# Altium PCB APP_1_PCB.PcbDoc (part 5 of 5)
Units mil, origin at the board's own origin, x right, y up, seen from the top; angles counter-clockwise.
Board outline 7580 x 10620 mil, 12 copper layers (L1_Signal, L2_GND, L3_Signal, L4_GND, L5_Power, L6_GND, L7_GND, L8_Power, L9_GND, L10_Signal, L11_GND, L12_Signal), stack 74.268 mil thick; 392 components, 345 nets, 2134 pads, 1131 vias.
Unrouted connection lines stored in the file: 428.
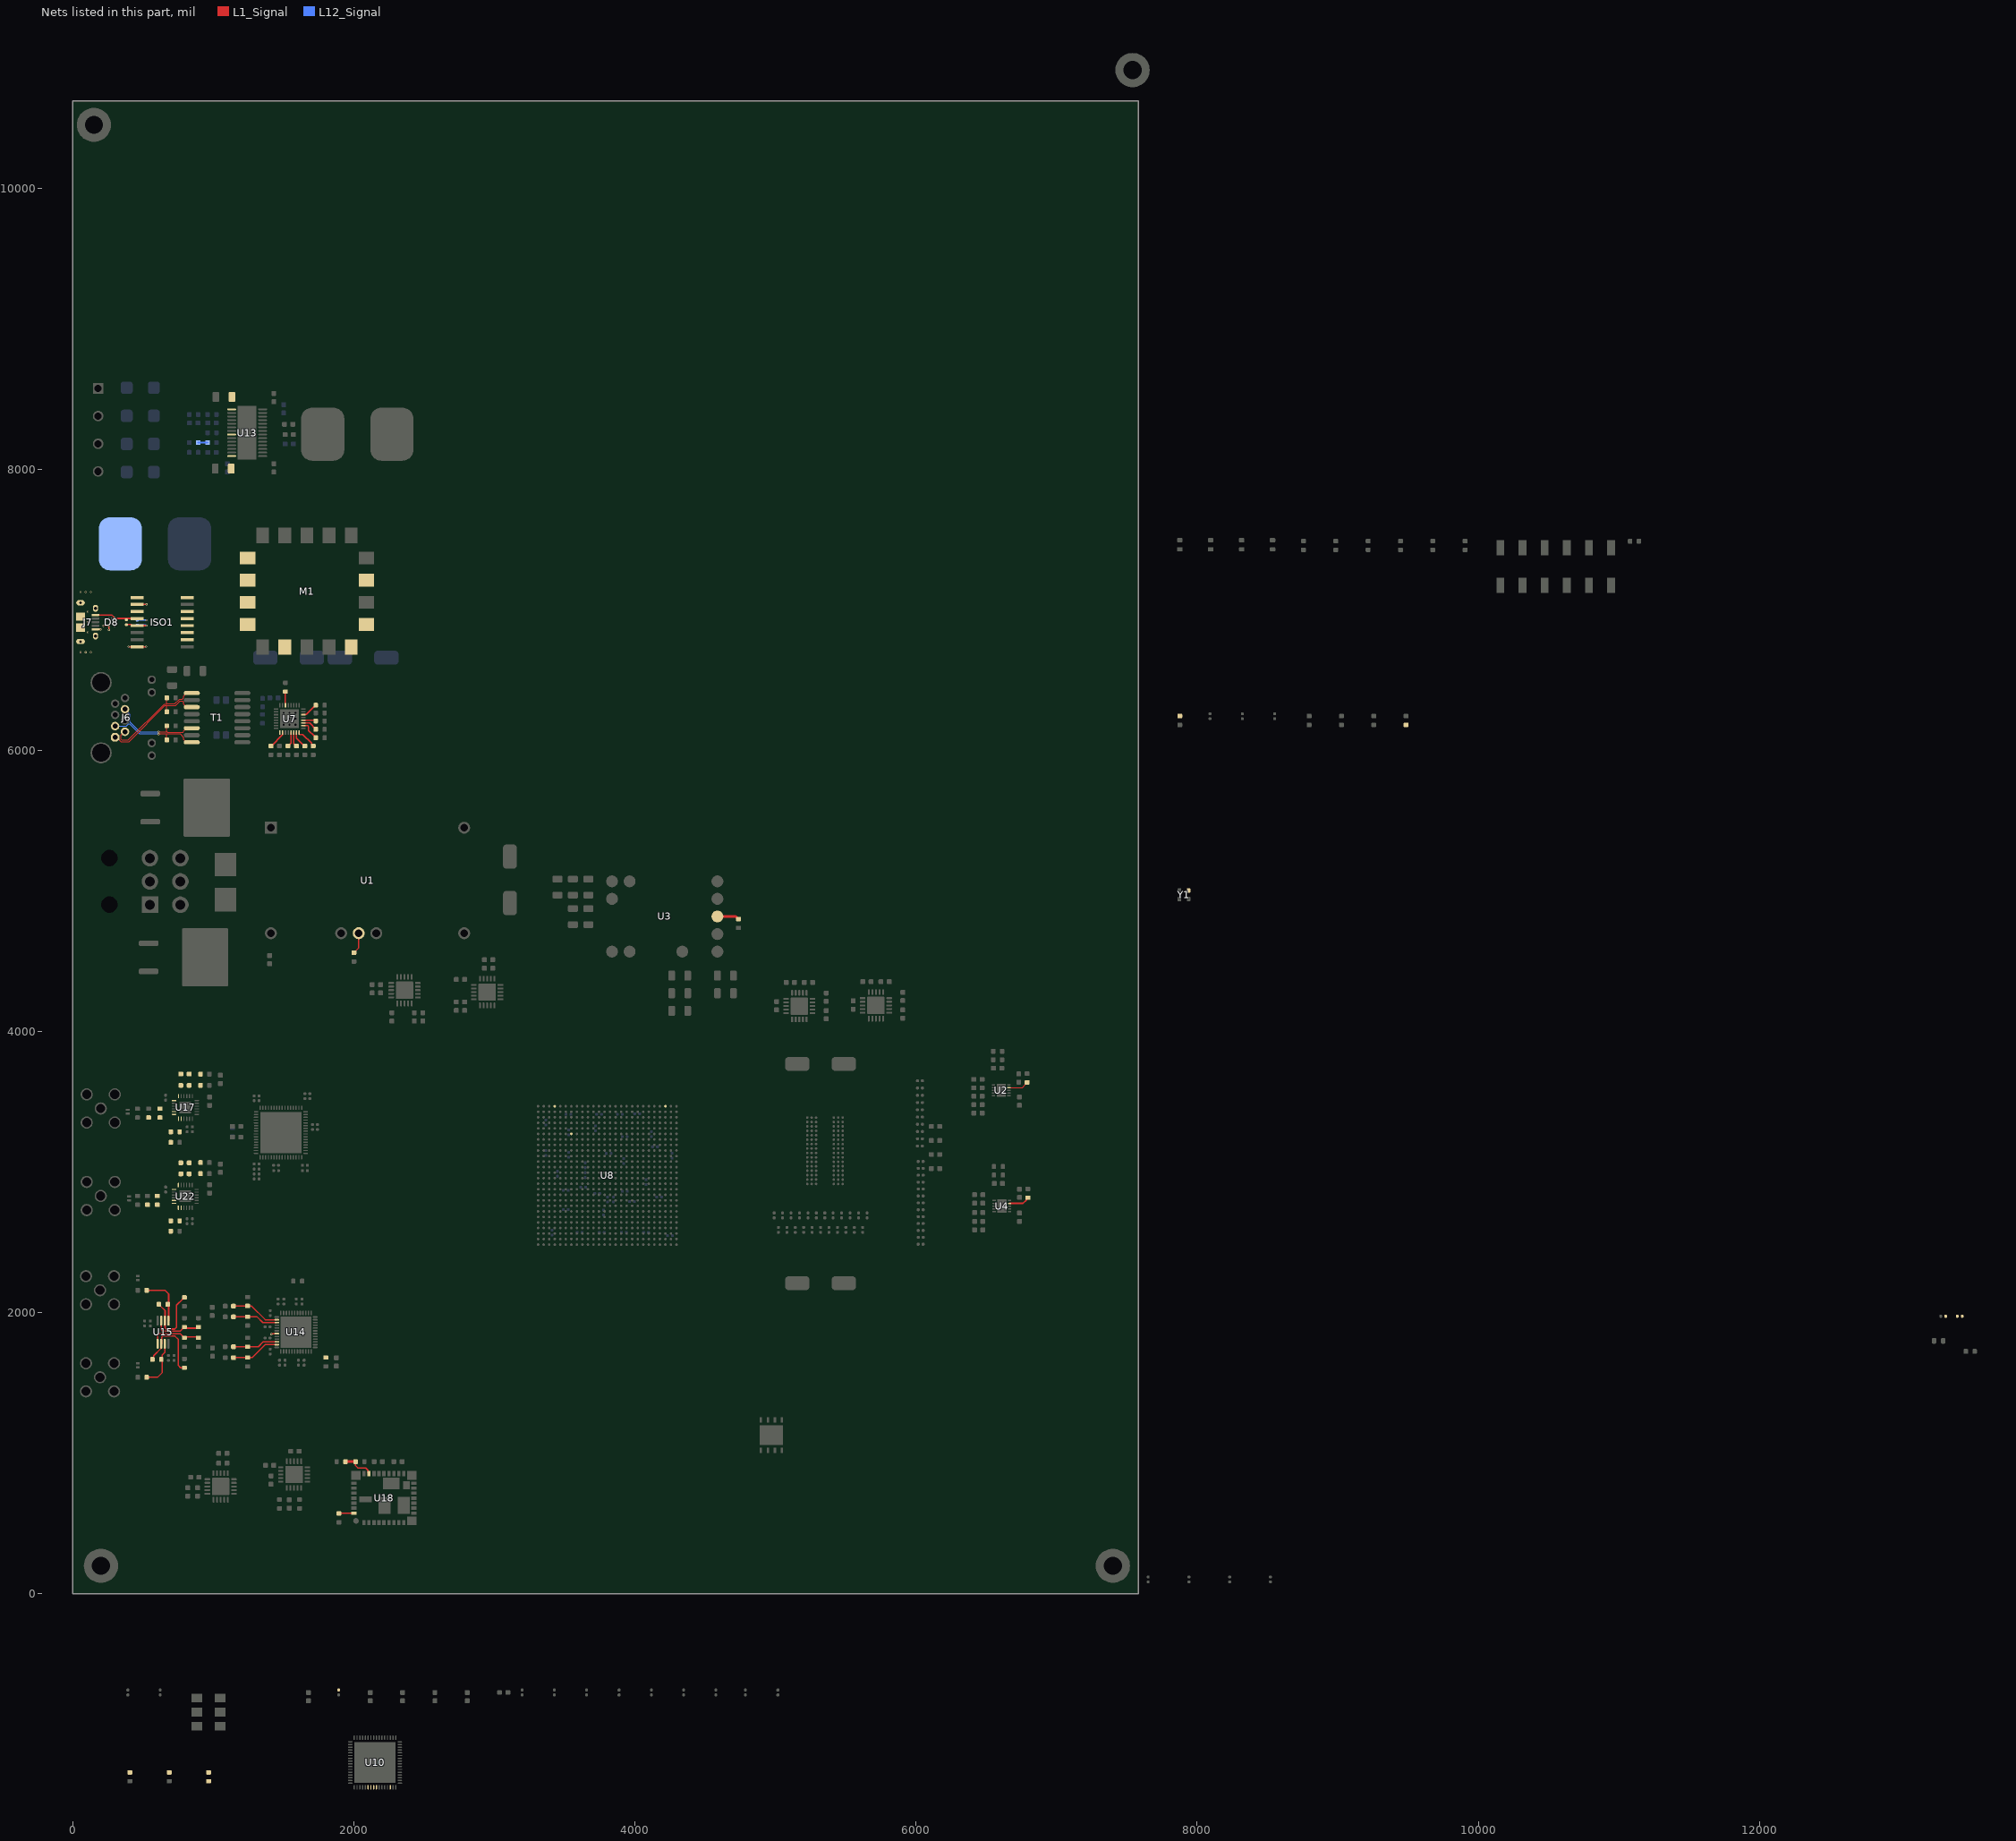
[diagram p15: the nets of this part, all layers, seen from the top]

## Via types
v1: diameter 15, hole 9, L1_Signal to L12_Signal, tented both sides, 539 vias
v2: diameter 15, hole 9, L1_Signal to L12_Signal, 464 vias
v3: diameter 19.68, hole 7.87, L1_Signal to L12_Signal, 89 vias
v4: diameter 13, hole 7, L1_Signal to L12_Signal, 15 vias
v5: diameter 19.68, hole 11.81, L1_Signal to L12_Signal, 15 vias
v6: diameter 22, hole 12, L1_Signal to L12_Signal, 9 vias

## Nets (pads, with @x,y where several pads share a name; then routed paths per layer and width w, separated by ;. In a path a pad name is that pad's centre, name@x,y a point inside that pad or via, vN(x,y) a via of type N, cw(c..) or ccw(c..) an arc to the next point about the centre after c; other vN are vias at no path point) (continued)
NetISO1_5: ISO1.5 R3.1 R5.1 | length 214
  L1_Signal w10: R3.1@380.98,6895.02 416.57,6895.02 423.48,6888.11 ISO1.5@457.73,6888.11 v2(524.08,6888.11)
  L12_Signal w10: R5.1@457.73,6892.11 518.74,6892.11 522.73,6888.11 v2(524.08,6888.11)
NetISO1_13: ISO1.13 R4.1 R6.2
NetL4_2: L4.2 R80.2 U14.38 | length 350.7
  L1_Signal w10: L4.2@1142.85,2047 R80.2@1241.85,2047 ; R80.2@1243.35,2048.5 R80.2@1241.85,2047 ; U14.38@1451.32,1950.28 1368.72,1950.28 1272,2047 R80.2@1241.85,2047
NetL5_2: L5.2 R81.2 U14.39 | length 326.4
  L1_Signal w10: L5.2@1142.85,1970.5 R81.2@1242.35,1970.5 ; R81.2@1243.35,1971.5 R81.2@1242.35,1970.5 ; U14.39@1451.32,1930.59 1351.41,1930.59 1311.5,1970.5 R81.2@1242.35,1970.5
NetL6_2: L6.2 R87.2 U14.47 | length 348.2
  L1_Signal w10: L6.2@1142.85,1680.5 R87.2@1242.35,1680.5 ; R87.2@1243.35,1681.5 R87.2@1242.35,1680.5 ; U14.47@1451.32,1773.11 1368.11,1773.11 1275.5,1680.5 R87.2@1242.35,1680.5
NetL7_2: L7.2 R88.2 U14.46 | length 322.7
  L1_Signal w10: L7.2@1142.85,1758.5 R88.2@1243.35,1758.5 1319.5,1758.5 1353.8,1792.8 U14.46@1451.32,1792.8
NetL8_1: L8.1 R92.2
NetL8_2: L8.2 U22.19
NetL9_1: L9.1 R94.2
NetL9_2: L9.2 U22.18
NetL10_1: L10.1 R100.2
NetL10_2: L10.2 U17.19
NetL11_1: L11.1 R102.2
NetL11_2: L11.2 U17.18
NetM1_18: M1.18 R106.1 R107.2
NetR11_1: R11.1 U2.9 | length 146.8
  L1_Signal w5: U2.9@6660.12,3602.28 6756.99,3602.28 6777.19,3622.48 6777.19,3625.77 6789.92,3638.5 R11.1@6790,3638.5
NetR12_2: R12.2 U1.4 | length 152.6
  L1_Signal w10: R12.2@2000,4561.5 2034.16,4595.66 U1.4@2034.16,4700
NetR14_2: R14.2 U3.8 | length 157.7
  L1_Signal w20: U3.8@4586,4819 4715.5,4819 4734,4800.5 R14.2@4736,4800.5
NetR16_1: R16.1 U4.9 | length 147
  L1_Signal w10: U4.9@6665.27,2778.26 6760.9,2778.26 6782.1,2799.45 6782.1,2802.74 6794.83,2815.47 R16.1@6794.91,2815.47
NetR21_1: R21.1 U7.18 | length 143.5
  L1_Signal w9: U7.18@1638.58,6175.79 1639,6175.37 1672.81,6175.37 1678.08,6170.09 1678.08,6140.42 1716.45,6102.05 1717.62,6102.05 1728.5,6091.16 R21.1@1728.5,6090
NetR22_1: R22.1 U7.20 | length 96.6
  L1_Signal w3: U7.20@1638.58,6215.16 U7.20@1642,6211.74
  L1_Signal w8: U7.20@1638.78,6214.96 1723.54,6214.96 R22.1@1728.5,6210
NetR23_1: R23.1 U7.16 | length 150.9
  L1_Signal w8: U7.16@1611.02,6128.54 1611.02,6117.72 1614.44,6114.3 1635.7,6114.3 1698.91,6051.09 1698.91,6041.92 1709.33,6031.5 R23.1@1710,6031.5
NetR24_1: R24.1 U7.15 | length 122.5
  L1_Signal w8: U7.15@1591.34,6128.54 1591.34,6088.16 1648,6031.5 R24.1@1650,6031.5
NetR25_1: R25.1 U7.14 | length 106.4
  L1_Signal w8: U7.14@1571.65,6128.54 1571.65,6049.18 1589.34,6031.5 R25.1@1591.34,6031.5
NetR26_1: R26.1 U7.13 | length 107.3
  L1_Signal w8: R26.1@1530,6031.5 1532,6031.5 1551.97,6051.47 U7.13@1551.97,6128.54
NetR27_2: R27.2 U7.30 | length 97
  L1_Signal w8: U7.30@1512.6,6321.46 R27.2@1512.6,6418.5
NetR28_1: R28.1 U7.19 | length 109.9
  L1_Signal w8: U7.19@1638.58,6195.47 1685.03,6195.47 1728.5,6152 R28.1@1728.5,6150
NetR29_1: R29.1 U7.22 | length 118.2
  L1_Signal w8: U7.22@1638.58,6254.53 1639.36,6255.3 1659.45,6255.3 1713.37,6309.22 1717.16,6309.22 1728.5,6320.56 R29.1@1728.5,6321.46
NetR30_2: R30.2 U7.10 | length 132.3
  L1_Signal w8: R30.2@1410,6031.5 1411.5,6031.5 1491.99,6111.99 1491.99,6127.62 U7.10@1492.91,6128.54
NetR61_2: R61.2 U10.30
NetR62_1: R62.1 U8.AF23
NetR66_2: R66.2 U8.AF3
NetR67_1: R67.1 R68.2 U13.8 | length 67
  L12_Signal w15: R68.2@891.5,8190 R67.1@958.5,8190
NetR69_2: R69.2 U13.1
NetR74_2: R74.2 U13.14
NetR75_1: R75.1 R77.2 U15.1 | length 366
  L1_Signal w10: R77.2@524.85,2160 656.37,2160 681.74,2134.63 681.74,2066.89 R75.1@674.85,2060 681.74,2053.11 U15.1@681.74,1941.69
NetR75_2: R75.2 R76.1 U15.2 | length 513.7
  L1_Signal w10: R75.2@611.85,2060 611.85,2058 619.85,2050 621.85,2050 656.15,2015.7 656.15,1941.69 656.29,1941.55 656.29,1892.92 665.08,1884.13 725.55,1884.13 738.19,1896.77 738.19,2053.84 783.35,2099 783.35,2101 791.35,2109 R76.1@793.35,2109
NetR78_1: R78.1 R79.1 U15.3 | length 348.8
  L1_Signal w10: U15.3@630.56,1941.69 630.56,1874.84 636.42,1868.99 763.84,1868.99 783.35,1888.5 783.35,1890.5 788.36,1895.51 791.35,1898.5 R79.1@793.35,1898.5 ; R79.1@793.35,1890.51 885.37,1890.51 R78.1@893.35,1898.5
NetR82_1: R82.1 R84.2 U15.7 | length 338.4
  L1_Signal w10: R84.2@524.85,1540.63 602.25,1540.63 636.69,1575.07 636.69,1667.73 636.69,1700.58 654.41,1718.3 U15.7@654.41,1780
NetR82_2: R82.2 R83.1 U15.6 | length 558.3
  L1_Signal w10: R82.2@575.62,1661.31 575.62,1694.81 627.72,1746.92 627.72,1775.47 631.32,1779.07 631.32,1825.58 639.34,1833.6 727.07,1833.6 750,1810.67 750,1625.58 766.71,1608.87 796.88,1608.87 R83.1@797.26,1608.5
NetR85_1: R85.1 R86.1 U15.5 | length 370.7
  L1_Signal w10: U15.5@604.97,1778.31 604.97,1839.05 616.82,1850.9 763.95,1850.9 783.35,1831.5 783.35,1829.5 791.35,1821.5 R86.1@793.35,1821.5 ; R86.1@793.35,1829.49 885.37,1829.49 R85.1@893.35,1821.5
NetR90_2: R90.2 U14.43 | length 40.9
  L1_Signal w10: v1(1412,1848) 1413.35,1848 1417.2,1851.85 U14.43@1451.32,1851.85
NetR91_1: R91.1 U22.23
NetR91_2: R91.2 R93.1 U22.24
NetR96_1: R96.1 R97.2 U22.1
NetR97_1: R97.1 U22.2
NetR99_1: R99.1 U17.23
NetR99_2: R99.2 R101.1 U17.24
NetR104_1: R104.1 R105.2 U17.1
NetR105_1: R105.1 U17.2
NetR108_2: R108.2 U8.AA20
NetR109_1: R109.1 R110.2 U18.27 | length 229.4
  L1_Signal w10: R109.1@2011.75,941.06 2011.75,912.56 2028.25,896.06 2083.25,896.06 2100.14,879.17 2100.14,862.08 U18.27@2106.95,855.27
  L1_Signal w20: R110.2@1939.75,941.06 R109.1@2011.75,941.06
NetR111_2: R111.2 U18.36 | length 107.3
  L1_Signal w10: R111.2@1893.25,572.56 1894.35,573.66 1998.57,573.66 U18.36@1999.67,574.76
NetU7_9: U7.9 Y1.3
Rx: M1.5
RX_N: J6.6 R10.2 T1.14 | length 637.1
  L1_Signal w6.53: v1(611.1,6134.06) 612.72,6132.44 617.54,6132.44 619.16,6130.82 629.64,6130.82 629.7,6130.76 671.88,6130.76 ; R10.2@668.5,6175 668.5,6134.59 668.5,6134.15 672.32,6130.32 784.86,6130.32 788.69,6134.15 788.69,6137.84 808.95,6158.11 T1.14@845.98,6158.11
  L12_Signal w6.53: J6.6@370.98,6293.11 407.24,6256.85 407.24,6201 477.41,6130.82 603.04,6130.82 604.65,6132.44 609.48,6132.44 v1(611.1,6134.06)
RX_P: J6.3 R9.2 T1.16 | length 661.4
  L1_Signal w6.53: v1(611.1,6116.06) 612.72,6117.68 617.54,6117.68 619.16,6119.3 624.86,6119.3 624.92,6119.24 664.68,6119.24 668.5,6115.41 R9.2@668.5,6075 ; 665.12,6118.8 761.94,6118.8 788.69,6092.05 788.69,6078.38 808.95,6058.11 T1.16@845.98,6058.11
  L12_Signal w6.53: J6.3@300.98,6173.11 382.26,6173.11 397.84,6188.69 403.24,6188.69 472.64,6119.3 603.04,6119.3 604.65,6117.68 609.48,6117.68 v1(611.1,6116.06)
SPI_CLK: U10.24
SPI_MISO: U10.22 U10.25
SPI_MOSI: U10.23
Tx: M1.6
TX_N: J6.2 R8.2 T1.9 | length 758.8
  L1_Signal w6.53: J6.2@370.98,6133.11 367.49,6133.11 343.8,6109.42 343.8,6078.07 347.62,6074.25 394.25,6074.25 650.76,6330.76 668.61,6330.76 668.98,6331.14 725.95,6331.14 758.69,6363.88 778.39,6363.88 788.69,6374.17 788.69,6387.84 808.95,6408.11 T1.9@845.98,6408.11 ; 668.5,6334.59 R8.2@668.5,6375
TX_P: J6.1 R7.2 T1.11 | length 749.6
  L1_Signal w6.53: J6.1@300.98,6093.11 312.46,6093.11 342.85,6062.72 399.02,6062.72 655.54,6319.24 671.95,6319.24 ; R7.2@668.5,6275 668.5,6315.41 668.5,6315.79 672.32,6319.61 730.73,6319.61 763.47,6352.35 778.39,6352.35 788.69,6342.05 788.69,6328.38 808.95,6308.11 T1.11@845.98,6308.11
USB: C66.1 D8.4 ISO1.2 ISO1.8 J7.5 J7.6 J7.7 J7.8 J7.9 J7.10 J7.11 R5.2 | length 354.3
  L1_Signal w10: J7.5@168.46,6861.34 v2(197,6861.34) ; v2(216.61,6885.95) D8.4@256.29,6885.95 v2(256.29,6857.4) ; v2(395.98,6738.11) v2(520.98,6738.11) ; ISO1.2@457.73,7038.11 458.12,7038.51 524.08,7038.51 v2(524.48,7038.9)
  L12_Signal w10: R5.2@457.73,6927.11 458.27,6926.57 522.19,6926.57 v2(522.73,6926.02)
  other v2: 54.68,6698.11 91.56,6698.11 127.87,6698.11 105.98,6839.94 105.98,6913.14 105.98,6986.34 54.68,7126.93 91.56,7126.93 127.87,7126.93
USB_3V3: ISO1.12 ISO1.14 ISO1.16 M1.2 M1.8 M1.15 R4.2 R106.2
USB_5V: D8.1 ISO1.1 ISO1.3 ISO1.4 J7.1 R3.2 | length 274.7
  L1_Signal w10: J7.1@160.98,6963.7 277.13,6963.7 D8.1@298.7,6942.14 ; D8.1@295.66,6939.1 380.98,6939.1 ISO1.4@422.73,6939.1 ; ISO1.4@457.73,6938.11 ISO1.4@457.73,6939.1
USB_DD_N: ISO1.11 M1.16
USB_DD_P: ISO1.10 M1.17
pads on no net: D8.2 J3.0 J6.0 J6.4 J6.5 J6.7 J6.8 J7.4 M1.3 M1.4 M1.9 MTH1.1 MTH2.1 MTH3.1 MTH4.1 T1.4 T1.5 T1.10 T1.12 T1.13 T1.15 U3.9 U3.10 U3.11 U5.2 U5.4 U5.5 U5.8 U5.9 U5.10 U5.11 U5.17 U5.18 U5.19 U6.2 U6.4 U6.5 U6.6 U6.9 U6.10 U6.12 U6.17 U6.18 U6.19 U7.8 U7.12 U7.28 U7.29 U8.A2 U8.A3 U8.A15 U8.A16 U8.A17 U8.A18 U8.A19 U8.A20 U8.A21 U8.A22 U8.A23 U8.A25 U8.AA3 U8.AA4 U8.AA5 U8.AA7 U8.AA8 U8.AA9 U8.AA11 U8.AA12 U8.AA13 U8.AA14 U8.AA15 U8.AA17 U8.AA18 U8.AA19 U8.AA22 U8.AA23 U8.AB4 U8.AB5 U8.AB6 U8.AB7 U8.AB8 U8.AB9 U8.AB10 U8.AB11 U8.AB13 U8.AB15 U8.AB17 U8.AB18 U8.AB19 U8.AB21 U8.AB22 U8.AB24 U8.AC3 U8.AC4 U8.AC5 U8.AC7 U8.AC9 U8.AC11 U8.AC12 U8.AC13 U8.AC14 U8.AC15 U8.AC16 U8.AC17 U8.AC19 U8.AC20 U8.AC22 U8.AC23 U8.AC24 U8.AD4 U8.AD5 U8.AD6 U8.AD7 U8.AD8 U8.AD9 U8.AD10 U8.AD11 U8.AD12 U8.AD13 U8.AD14 U8.AD15 U8.AD17 U8.AD18 U8.AD19 U8.AD21 U8.AE3 U8.AE4 U8.AE5 U8.AE7 U8.AE9 U8.AE11 U8.AE13 U8.AE15 U8.AE17 U8.AE19 U8.AE21 U8.AE23 U8.AE25 U8.AE26 U8.AF2 U8.AF5 U8.AF6 U8.AF7 U8.AF8 U8.AF9 U8.AF10 U8.AF11 U8.AF12 U8.AF13 U8.AF14 U8.AF15 U8.AF16 U8.AF17 U8.AF18 U8.AF19 U8.AF21 U8.AF24 U8.B1 U8.B2 U8.B16 U8.B18 U8.B20 U8.B22 U8.B23 U8.B24 U8.B25 U8.B26 U8.C1 U8.C2 U8.C3 U8.C4 U8.C14 U8.C15 U8.C16 U8.C17 U8.C18 U8.C19 U8.C20 U8.C21 U8.C24 U8.C25 U8.C26 U8.D1 U8.D3 U8.D13 U8.D14 U8.D15 U8.D16 U8.D18 U8.D19 U8.D20 U8.D21 U8.D22 U8.D23 U8.D24 U8.D26 U8.E1 U8.E2 U8.E3 U8.E4 U8.E5 U8.E12 U8.E14 U8.E16 U8.E17 U8.E18 U8.E19 U8.E20 U8.E23 U8.E24 U8.E25 U8.E26 U8.F1 U8.F3 U8.F5 U8.F8 U8.F12 U8.F13 U8.F14 U8.F15 U8.F16 U8.F17 U8.F18 U8.F22 U8.F24 U8.F26 U8.G1 U8.G2 U8.G3 U8.G4 U8.G5 U8.G6 U8.G7 U8.G9 U8.G11 U8.G13 U8.G14 U8.G16 U8.G17 U8.G19 U8.G20 U8.G21 U8.G22 U8.G23 U8.G24 U8.G25 U8.G26 U8.H1 U8.H3 U8.H5 U8.H6 U8.H7 U8.H8 U8.H9 U8.H10 U8.H12 U8.H13 U8.H15 U8.H16 U8.H17 U8.H18 U8.H19 U8.H20 U8.H21 U8.H22 U8.H24 U8.H26 U8.J1 U8.J2 U8.J3 U8.J4 U8.J5 U8.J7 U8.J10 U8.J11 U8.J12 U8.J13 U8.J14 U8.J15 U8.J16 U8.J17 U8.J20 U8.J22 U8.J23 U8.J24 U8.J25 U8.J26 U8.K1 U8.K3 U8.K5 U8.K6 U8.K7 U8.K8 U8.K9 U8.K10 U8.K12 U8.K14 U8.K15 U8.K18 U8.K19 U8.K20 U8.K21 U8.K22 U8.K24 U8.K26 U8.L1 U8.L2 U8.L6 U8.L7 U8.L8 U8.L9 U8.L17 U8.L18 U8.L19 U8.L20 U8.L21 U8.L23 U8.L24 U8.L25 U8.L26 U8.M1 U8.M3 U8.M4 U8.M18 U8.M19 U8.M21 U8.M23 U8.M24 U8.M26 U8.N1 U8.N2 U8.N17 U8.N18 U8.N19 U8.N20 U8.N21 U8.N22 U8.N23 U8.N24 U8.N25 U8.N26 U8.P17 U8.P18 U8.P20 U8.P21 U8.P22 U8.P24 U8.P26 U8.R5 U8.R6 U8.R7 U8.R10 U8.R17 U8.R18 U8.R19 U8.R20 U8.R21 U8.R22 U8.R23 U8.R24 U8.R25 U8.R26 U8.T4 U8.T6 U8.T8 U8.T9 U8.T10 U8.T18 U8.T19 U8.T20 U8.T22 U8.T23 U8.T24 U8.T26 U8.U3 U8.U4 U8.U5 U8.U7 U8.U8 U8.U9 U8.U12 U8.U13 U8.U15 U8.U17 U8.U19 U8.U20 U8.U21 U8.U22 U8.U23 U8.U24 U8.U25 U8.U26 U8.V5 U8.V6 U8.V7 U8.V8 U8.V10 U8.V11 U8.V12 U8.V13 U8.V14 U8.V15 U8.V16 U8.V17 U8.V18 U8.V19 U8.V20 U8.V22 U8.V23 U8.V24 U8.W5 U8.W7 U8.W8 U8.W9 U8.W10 U8.W11 U8.W12 U8.W13 U8.W14 U8.W16 U8.W17 U8.W18 U8.W19 U8.W21 U8.W26 U8.Y5 U8.Y6 U8.Y8 U8.Y9 U8.Y10 U8.Y13 U8.Y14 U8.Y15 U8.Y16 U8.Y18 U8.Y20 U8.Y21 U8.Y22 U9.H1 U9.J1 U9.J9 U9.K9 U9.L1 U9.L8 U9.L9 U9.M7 U9.M8 U9.T2 U9.T7 U10.6 U10.7 U10.9 U10.10 U10.12 U10.13 U10.14 U10.31 U10.33 U10.37 U10.40 U10.41 U10.49 U10.50 U10.51 U10.52 U10.53 U10.54 U10.55 U10.56 U10.57 U10.58 U10.59 U10.60 U10.61 U10.62 U10.63 U10.64 U11.2 U11.4 U11.5 U11.9 U11.10 U11.12 U12.9 U16.22 U16.56 U16.57 U17.5 U17.6 U17.7 U17.8 U17.9 U17.10 U17.11 U17.12 U17.13 U17.14 U17.15 U17.16 U17.PAD U18.2 U18.3 U18.6 U18.7 U18.21 U18.22 U18.23 U18.24 U18.25 U18.28 U18.31 U18.35 U18.38 U18.41 U19.2 U19.4 U19.5 U19.6 U19.8 U19.9 U19.10 U19.11 U19.12 U20.2 U20.4 U20.5 U20.6 U20.8 U21.2 U21.4 U21.5 U21.6 U21.8 U21.11 U21.12 U22.5 U22.6 U22.7 U22.8 U22.9 U22.10 U22.11 U22.12 U22.13 U22.14 U22.15 U22.16 U22.PAD Y1.1 Y2.1
copper on no net: | length 27.7
  L1_Signal w10: v2@3409.05,3291.86 3428.64,3272.27
  other v2: 3408.98,3291.86
  other v3: 778.35,2806.35 821.65,2806.35 778.35,2849.65 821.65,2849.65 779.06,3438.5 822.36,3438.5 779.06,3481.81 822.36,3481.81

## Polygon pours and split planes (outlines as drawn)
DDR3_1V5 on L1_Signal "DDR3_1V5_L01_P101" (solid, remove dead copper, pour order 101): 6510,3502.59 6530,3502.59 6530,3303.03 6445.09,3303.03 6445.09,3387.68 6450,3392.59 6450,3562.59 6510,3562.59
3V3 on L1_Signal "3V3_L01_P100" (solid, remove dead copper, pour order 100): 6450,3582.6 6450,3682.6 6425.22,3707.38 6425.22,3775.63 6516.42,3775.63 6516.42,3582.6
5V5 on L1_Signal "5V5_L01_P055" (solid, pour order 55): 877.88,890.24 877.64,890.49 877.64,1277.64 900,1300 1500,1300 1517.64,1282.36 1517.64,1137.64 1500,1120 1037.64,1120 1012.09,1094.45 1012.09,886.54 1012.64,858.98 1012.64,835 982.64,835 982.64,805 892.64,805 877.64,820 877.64,890
A5V on L1_Signal "A5V_L01_P056" (solid, pour order 56): 1007.64,690 1007.64,630 847.64,630 797.64,680 797.64,720 977.64,720 977.64,690
GND on L1_Signal "GND_L01_P057" (solid, pour order 57): 817.64,798.62 817.64,838.62 827.64,848.62 857.64,848.62 867.64,838.62 867.64,808.62 877.64,798.62 1012.09,798.62 1012.09,723.75 832.52,723.75 817.64,738.62
GND on L1_Signal "GND_L01_P058" (solid, pour order 58): 1077.64,1020 1077.64,903.19 1090.83,890 1090.83,710 1187.64,710 1197.64,720 1197.64,1020 1187.64,1030 1087.64,1030
GND on L1_Signal "GND_L01_P007" (solid, remove dead copper, pour order 7): 2109.65,4314.77 2209.65,4314.77 2209.65,4424.77 2399.65,4424.77 2399.65,4464.77 2109.65,4464.77
3V3 on L1_Signal "3V3_L01_P009" (solid, remove dead copper, pour order 9): 2314.65,4219.77 2314.65,4109.77 2120,4109.77 2120,4219.77 2209.65,4219.77 2239.65,4249.77 2284.65,4249.77 2284.65,4219.77
1V8 on L1_Signal "1V8_L01_P012" (solid, remove dead copper, pour order 12): 2404.65,4219.77 2404.65,4109.77 2600,4109.77 2600,4219.77 2509.65,4219.77 2479.65,4249.77 2434.65,4249.77 2434.65,4219.77
GND on L1_Signal "GND_L01_P099" (solid, remove dead copper, pour order 99): 2600,4040 2600,4100 2120,4100 2120,4040
3V3 on L1_Signal "3V3_L01_P003" (solid, remove dead copper, pour order 3): 6454.91,2756.97 6454.91,2856.97 6430.13,2881.75 6430.13,2950 6521.33,2950 6521.33,2756.97
DDR3_0V75 on L1_Signal "DDR3_0V75_L01_P005" (solid, remove dead copper, pour order 5): 6514.91,2676.97 6534.91,2676.97 6534.91,2477.41 6450,2477.41 6450,2562.06 6454.91,2566.97 6454.91,2736.97 6514.91,2736.97
GND on L1_Signal "GND_L01_P004" (solid, remove dead copper, pour order 4): 6574.91,2616.97 6644.91,2616.97 6644.91,2816.97 6684.91,2856.97 6754.91,2856.97 6754.91,2996.97 6594.91,2996.97 6594.91,2886.97 6574.91,2866.97
GND on L1_Signal "GND_L01_P080" (solid, pour order 80): 6440,2570 6430,2560 6370,2560 6360,2570 6360,2860 6370,2870 6420,2870 6440,2850
GND on L1_Signal "GND_L01_P084" (solid, remove dead copper, pour order 84): 5105,4118 5108,4115 5230,4115 5230,4165 5230,4245 5205,4245 5205,4315 5225,4335 5225,4385 5220,4390 5120,4390 5115,4385 5115,4335 5135,4315 5135,4245 5105,4245
1V2 on L1_Signal "1V2_L01_P085" (solid, remove dead copper, pour order 85): 5100,4220.86 5100,4250 5125,4250 5125,4310 5100,4335 5100,4385 5095,4390 4980,4390 4975,4385 4975,4195 4980,4190 5030,4190 5060.86,4220.86
3V3 on L1_Signal "3V3_L01_P086" (solid, remove dead copper, pour order 86): 5237.64,4220.86 5237.64,4250 5212.64,4250 5212.64,4310 5237.64,4335 5237.64,4385 5242.64,4390 5315,4390 5320,4385 5320,4220.86 5276.78,4220.86
GND on L1_Signal "GND_L01_P081" (solid, remove dead copper, pour order 81): 5650,4123 5653,4120 5855,4120 5855,4170 5775,4170 5775,4250 5750,4250 5750,4320 5770,4340 5770,4390 5765,4395 5665,4395 5660,4390 5660,4340 5680,4320 5680,4250 5650,4250
1V5 on L1_Signal "1V5_L01_P082" (solid, remove dead copper, pour order 82): 5645,4225.86 5645,4255 5670,4255 5670,4315 5645,4340 5645,4390 5640,4395 5525,4395 5520,4390 5520,4200 5525,4195 5575,4195 5605.86,4225.86
3V3 on L1_Signal "3V3_L01_P083" (solid, remove dead copper, pour order 83): 5782.64,4225.86 5782.64,4255 5757.64,4255 5757.64,4315 5782.64,4340 5782.64,4390 5787.64,4395 5860,4395 5865,4390 5865,4225.86 5821.78,4225.86
GND on L1_Signal "GND_L01_P008" (solid, remove dead copper, pour order 8): 2968,4531 2968,4431 3078,4431 3078,4211 3118,4211 3118,4531
5V5 on L1_Signal "5V5_L01_P010" (solid, remove dead copper, pour order 10): 2763,4419 2762,4419 2700,4481 2700,4666 2757,4666 2763,4671 2873,4671 2873,4431 2903,4401 2903,4356 2873,4356 2873,4326 2763,4326
A3V3 on L1_Signal "A3V3_L01_P011" (solid, remove dead copper, pour order 11): 2873,4236 2763,4236 2763,4036 2873,4036 2873,4131 2903,4161 2903,4206 2873,4206
GND on L1_Signal "GND_L01_P014" (solid, remove dead copper, pour order 14): 2751.35,4394.68 2751.35,4124.68 2661.35,4124.68 2661.35,4394.68
GND on L1_Signal "GND_L01_P098" (solid, remove dead copper, pour order 98): 1322,3163 1270,3163 1261,3154 1261,2938 1301,2938 1301,3111 1322,3132 1322,3139
A3V3 on L1_Signal "A3V3_L01_P097" (solid, remove dead copper, pour order 97): 1329,3128 1307,3106 1307,2940 1359,2940 1359,3128
GND on L1_Signal "GND_L01_P096" (solid, remove dead copper, pour order 96): 1445,3122 1445,3075 1450,3070 1450,2997 1476,2997 1476,3063 1456,3083 1456,3122
1V8 on L1_Signal "1V8_L01_P095" (solid, remove dead copper, pour order 95): 1438,3122 1424,3122 1424,3078 1415,3069 1415,2996 1441,2996 1441,3070 1438,3073
GND on L1_Signal "GND_L01_P094" (solid, remove dead copper, pour order 94): 1636,3143 1636,3129 1655,3110 1655,2997 1681,2997 1681,3134 1672,3143
1V8 on L1_Signal "1V8_L01_P093" (solid, remove dead copper, pour order 93): 1619,2996 1649,2996 1648,2997 1648,3107 1633,3122 1619,3122
GND on L1_Signal "GND_L01_P092" (solid, remove dead copper, pour order 92): 1682,3338 1697,3353 1753,3353 1757,3349 1756,3348 1756,3330 1755,3330 1748,3323 1640,3323 1640,3338
1V8 on L1_Signal "1V8_L01_P091" (solid, remove dead copper, pour order 91): 1640,3319 1640,3303 1674,3303 1686,3291 1752,3291 1755,3294 1755,3315 1751,3319
GND on L1_Signal "GND_L01_P090" (solid, remove dead copper, pour order 90): 1621,3550 1621,3570 1631,3580 1701,3580 1711,3570 1711,3550
1V8 on L1_Signal "1V8_L01_P089" (solid, remove dead copper, pour order 89): 1621,3530 1631,3540 1701,3540 1711,3530 1711,3480 1671,3440 1621,3440
GND on L1_Signal "GND_L01_P088" (solid, remove dead copper, pour order 88): 1271,3560 1271,3400 1321,3400 1321,3440 1301,3440 1301,3560
A3V3 on L1_Signal "A3V3_L01_P087" (solid, remove dead copper, pour order 87): 1341,3560 1311,3560 1311,3440 1341,3440
GND on L1_Signal "GND_L01_P079" (solid, pour order 79): 6435.35,3400.43 6425.35,3390.43 6365.35,3390.43 6355.35,3400.43 6355.35,3690.43 6365.35,3700.43 6415.35,3700.43 6435.35,3680.43
GND on L1_Signal "GND_L01_P078" (solid, pour order 78): 3417.89,5197.98 3367.89,5147.98 3367.89,4497.98 3517.89,4347.98 4017.89,4347.98 4067.89,4297.98 4067.89,4097.98 4117.89,4047.98 4817.89,4047.98 4867.89,4097.98 4867.89,5147.98 4817.89,5197.98
5V5 on L1_Signal "5V5_L01_P077" (solid, pour order 77): 3407.89,5007.98 3387.89,4987.98 3387.89,4847.98 3407.89,4827.98 3877.89,4827.98 3897.89,4847.98 3897.89,4987.98 3877.89,5007.98
3V3 on L1_Signal "3V3_L01_P075" (solid, pour order 75): 4267.89,4597.98 4267.89,4527.98 4337.89,4457.98 4337.89,4097.98 4347.89,4087.98 4617.89,4087.98 4627.89,4097.98 4627.89,4607.98 4617.89,4617.98 4287.89,4617.98
GND on L1_Signal "GND_L01_P074" (solid, pour order 74): 2150,8500 2450,8500 2500,8450 2500,8050 2450,8000 2150,8000 2100,8050 2100,8450
GND on L1_Signal "GND_L01_P073" (solid, pour order 73): 1390,8520 1390,8580 1400,8590 1460,8590 1470,8580 1470,8520
GND on L1_Signal "GND_L01_P072" (solid, pour order 72): 1470,8000 1470,7940 1460,7930 1400,7930 1390,7940 1390,8000
GND on L1_Signal "GND_L01_P071" (solid, pour order 71): 1050,8580 1040,8590 940,8590 930,8580 930,8440 940,8430 1040,8430 1050,8440
GND on L1_Signal "GND_L01_P070" (solid, pour order 70): 1040,7930 1030,7920 940,7920 930,7930 930,8070 940,8080 1030,8080 1040,8070
NetR74_2 on L1_Signal "NETR74_2_L01_P069" (solid, pour order 69): 1159.53,8100 1099.53,8100 1099.53,7970 1159.53,7970
NetR69_2 on L1_Signal "NETR69_2_L01_P068" (solid, pour order 68): 1100,8420 1160,8420 1160,8550 1100,8550
24V on L1_Signal "24V_L01_P067" (solid, pour order 67): 1320,8030 1330,8020 1910,8020 1930,8040 1930,8460 1890,8500 1330,8500 1320,8490 1320,8420 1580,8420 1590,8410 1590,8110 1580,8100 1320,8100
USB on L1_Signal "USB_L01_P027" (solid, remove dead copper, pour order 27): 0,7158.11 196.41,7158.11 196.41,6663.11 0,6663.11
GND on L1_Signal "GND_L01_P066" (solid, pour order 66): 1644.53,2085 1574.53,2085 1569.53,2090 1569.53,2120 1574.53,2125 1644.53,2125 1649.53,2120 1649.53,2090
GND on L1_Signal "GND_L01_P065" (solid, pour order 65): 1516.04,2085 1446.04,2085 1441.04,2090 1441.04,2120 1446.04,2125 1516.04,2125 1521.04,2120 1521.04,2090
GND on L1_Signal "GND_L01_P064" (solid, pour order 64): 1590.47,1640 1660.47,1640 1665.47,1635 1665.47,1605 1660.47,1600 1590.47,1600 1585.47,1605 1585.47,1635
GND on L1_Signal "GND_L01_P063" (solid, pour order 63): 1455,1640 1525,1640 1530,1635 1530,1605 1525,1600 1455,1600 1450,1605 1450,1635
1V8 on L1_Signal "1V8_L01_P062" (solid, pour order 62): 1510,1695 1520,1685 1520,1655 1515,1650 1460,1650 1460,1700 1470,1710 1470,1735 1510,1735
1V8 on L1_Signal "1V8_L01_P061" (solid, pour order 61): 1635,1695 1650,1695 1655,1690 1655,1655 1595,1655 1595,1690 1610,1705 1610,1745 1625,1745 1625,1705
1V8 on L1_Signal "1V8_L01_P060" (solid, pour order 60): 1600,2030 1585,2030 1580,2035 1580,2070 1640,2070 1640,2035 1625,2020 1625,1980 1610,1980 1610,2020
1V8 on L1_Signal "1V8_L01_P059" (solid, pour order 59): 1490,1980 1510,1980 1510,2030 1520,2040 1520,2070 1440,2070 1440,2040 1450,2030 1480,2030 1490,2020
24V on L1_Signal "24V_L01_P043" (solid, pour order 43): 2094.25,911.06 2053.25,911.06 2043.25,921.06 2043.25,981.06 2053.25,991.06 2163.25,991.06 2168.25,986.06 2168.25,891.06 2154.25,877.06 2154.25,837.06 2130.25,837.06 2130.25,875.06
GND on L1_Signal "GND_L01_P044" (solid, pour order 44): 2303.25,574.76 2343.25,534.76 2343.25,456.06 2353.25,446.06 2478.25,446.06 2488.25,456.06 2488.25,681.06 2478.25,691.06 2308.25,691.06 2303.25,686.06
-7V on L1_Signal "-7V_L01_P045" (solid, pour order 45): 2303.25,701.06 2293.25,691.06 2293.25,561.06 2333.25,521.06 2333.25,451.06 2323.25,441.06 1978.25,441.06 1973.25,446.06 1973.25,876.06 1978.25,881.06 2048.25,881.06 2053.25,876.06 2053.25,816.06 2058.25,811.06 2158.25,811.06 2158.25,561.06 2163.25,556.06 2268.25,556.06 2273.25,561.06 2273.25,726.06 2283.25,736.06 2333.25,736.06 2342.75,746.06 2342.75,751.92 2343.25,826.06 2343.25,880.56 2313.25,910.56 2313.25,1066.06 2453.25,1066.06 2488.25,1031.06 2488.25,711.06 2478.25,701.06
GND on L1_Signal "GND_L01_P047" (solid, pour order 47): 2188.25,896.06 2298.25,896.06 2303.25,901.06 2303.25,981.06 2298.25,986.06 2188.25,986.06 2183.25,981.06 2183.25,901.06
-7V on L1_Signal "-7V_L01_P048" (solid, pour order 48): 1410,974.88 1420,984.88 1515,984.88 1535,964.88 1535,919.88 1505,919.88 1505,889.88 1420,889.88 1410,899.88
-5V on L1_Signal "-5V_L01_P050" (solid, pour order 50): 1530,774.88 1530,714.88 1560,684.88 1560,654.88 1550,644.88 1440,644.88 1360,724.88 1360,794.88 1370,804.88 1500,804.88 1500,774.88
GND on L1_Signal "GND_L01_P051" (solid, pour order 51): 1350,884.88 1350,924.88 1360,934.88 1390,934.88 1400,924.88 1400,894.88 1410,884.88 1520,884.88 1520,810 1364.88,810 1350,824.88
GND on L1_Signal "GND_L01_P042" (solid, remove dead copper, pour order 42): 1376,2024 1398,2046 1414,2046 1414,2006 1376,2006
GND on L1_Signal "GND_L01_P041" (solid, remove dead copper, pour order 41): 1396,1678 1374,1700 1374,1716 1414,1716 1414,1678
A3V3 on L1_Signal "A3V3_L01_P039" (solid, remove dead copper, pour order 39): 1466,1758 1466,1732 1376,1732 1376,1758
A3V3 on L1_Signal "A3V3_L01_P038" (solid, remove dead copper, pour order 38): 1466,1964 1466,1990 1376,1990 1376,1964
GND on L1_Signal "GND_L01_P037" (solid, remove dead copper, pour order 37): 1340,1810 1340,1848 1377,1848 1377,1810
GND on L1_Signal "GND_L01_P036" (solid, remove dead copper, pour order 36): 1378,1873 1340,1873 1340,1910 1378,1910
GND on L1_Signal "GND_L01_P035" (solid, remove dead copper, pour order 35): 500,1920 560,1920 560,1880 500,1880
-5V on L1_Signal "-5V_L01_P034" (solid, remove dead copper, pour order 34): 610,1910 590,1910 570,1930 500,1930 500,1980 610,1980
GND on L1_Signal "GND_L01_P033" (solid, remove dead copper, pour order 33): 670,1670 730,1670 730,1630 670,1630
A5V on L1_Signal "A5V_L01_P032" (solid, remove dead copper, pour order 32): 670,1690 671.56,1688.44 730,1688.44 730,1810 720,1820 670,1820 670,1760
GND on L1_Signal "GND_L01_P031" (solid, remove dead copper, pour order 31): 1484.16,5350 1509.16,5375 1509.16,5525 1484.16,5550 1334.16,5550 1309.16,5525 1309.16,5375 1334.16,5350
24V on L1_Signal "24V_L01_P030" (solid, remove dead copper, pour order 30): 1900,4525 1950,4575 1950,5000 1900,5050 1000,5050 975,5025 975,4725 800,4725 800,4329.86 804.86,4325 1175,4325 1375,4525
GND on L1_Signal "GND_L01_P029" (solid, remove dead copper, pour order 29): 2699.41,5510 2699.41,5140 4872,5140 4872,5510
USB_5V on L1_Signal "USB_5V_L01_P028" (solid, remove dead copper, pour order 28): 330.98,6967.64 281.02,6967.64 281.02,6926.84 334.11,6926.84 506.25,6926.84 506.25,7098.85 330.98,7098.85
5V5 on L1_Signal "5V5_L01_P025" (solid, remove dead copper, pour order 25): 3355,4988 3375,5008 3418,5008 3418,4833 3355,4770 3355,4640 2699.41,4640 2699.41,4988
GND on L1_Signal "GND_L01_P022" (solid, remove dead copper, pour order 22): 607.92,4406.07 607.92,4648.11 360.98,4648.11 360.98,4406.07
GND on L1_Signal "GND_L01_P021" (solid, remove dead copper, pour order 21): 674.23,5347.76 674.23,5353.11 950.98,5353.11 950.98,4768.11 675.41,4768.11
NetD3_4 on L1_Signal "NETD3_4_L01_P019" (solid, remove dead copper, pour order 19): 790.98,5803.11 790.98,5388.11 986.98,5388.11 986.98,5103.11 1184.98,5103.11 1184.98,5803.11
NetD3_1 on L1_Signal "NETD3_1_L01_P018" (solid, remove dead copper, pour order 18): 400,4775 400,5762.17 645.98,5762.17 645.98,4775
GND on L1_Signal "GND_L01_P017" (solid, remove dead copper, pour order 17): 2033.14,7099.01 2328.26,7099.01 2328.26,7008.46 2033.14,7008.46
GND on L1_Signal "GND_L01_P016" (solid, remove dead copper, pour order 16): 1392.74,6681.23 1097.62,6681.23 1097.62,6771.78 1392.74,6771.78
GND on L1_Signal "GND_L01_P015" (solid, remove dead copper, pour order 15): 1305.78,7474.99 1305.78,7770.11 1396.33,7770.11 1396.33,7474.99
GND on L1_Signal "GND_L01_P001" (solid, remove dead copper, pour order 1): 6570,3440 6640,3440 6640,3640 6680,3680 6750,3680 6750,3820 6590,3820 6590,3710 6570,3690
GND on L4_GND (split plane): 7559.9,20.1 20.1,20.1 20.1,10599.9 7559.9,10599.9
3V3 on L5_Power (split plane): 7559.9,20.1 20.1,20.1 20.1,10599.9 7559.9,10599.9
-5V on L5_Power (split plane): 1277.52,1500 1277.52,1142.39 1277.86,1139.78 1278.87,1137.35 1279.91,1135.99 1279.91,830 1280.26,827.39 1281.27,824.96 1282.87,822.87 1284.96,821.27 1287.39,820.26 1290,819.91 1839.91,819.91 1839.91,410.09 470.09,410.09 470.09,3639.91 1277.52,3639.91
A3V3 on L5_Power (split plane): 2889.91,4024.18 2885.82,4020.09 2660,4020.09 2657.39,4019.74 2655.67,4019.03 2654.96,4018.73 2652.87,4017.13 1992.87,3357.13 1991.27,3355.04 1990.26,3352.61 1989.91,3350 1989.91,1510.09 1297.69,1510.09 1297.69,3639.91 1850,3639.91 1852.61,3640.26 1855.04,3641.27 1857.13,3642.87 2357.13,4142.87 2358.73,4144.96 2359.03,4145.67 2359.74,4147.39 2360.09,4150 2360.09,4249.91 2889.91,4249.91
-7V on L5_Power (split plane): 2539.91,1095.82 2539.91,434.18 2515.82,410.09 1860.09,410.09 1860.09,830 1859.74,832.61 1858.73,835.04 1857.13,837.13 1855.04,838.73 1852.61,839.74 1850,840.09 1300.09,840.09 1300.09,1129.91 2505.82,1129.91
1V2 on L5_Power (split plane): 5149.91,4290 5149.91,3980.18 4001.82,2832.09 3647.18,2832.09 3615.84,2863.42 3615.84,3082.58 3696.18,3162.91 3868,3162.91 3870.61,3163.26 3873.04,3164.27 3875.13,3165.87 3876.73,3167.96 3877.74,3170.39 3878.09,3173 3878.09,3173.82 4927.13,4222.87 4928.73,4224.96 4929.74,4227.39 4930.09,4230 4930.09,4429.91 5149.91,4429.91
DDR3_1V5 on L5_Power (split plane): 6409.91,3582.6 6410.26,3579.99 6411.26,3577.56 6412.87,3575.47 6414.96,3573.86 6417.39,3572.86 6420,3572.51 6879.91,3572.51 6879.91,1930.09 4670.09,1930.09 4670.09,2361.19 4670.09,3471.82 5167.13,3968.87 5168.73,3970.96 5169.74,3973.39 5170.09,3976 5170.09,3977.13 6409.91,3977.13
GND on L6_GND (split plane): 7559.9,20.1 20.1,20.1 20.1,10599.9 7559.9,10599.9
GND on L7_GND (split plane): 7559.9,20.1 20.1,20.1 20.1,10599.9 7559.9,10599.9
no net on L8_Power (split plane): 7559.9,20.1 20.1,20.1 20.1,10599.9 7559.9,10599.9
A5V on L8_Power (split plane): 1279.91,2410 1279.91,1500 1279.91,410.09 470.09,410.09 470.09,3639.91 1279.91,3639.91
1V8 on L8_Power (split plane): 2639.91,4004.18 1992.87,3357.13 1991.27,3355.04 1990.26,3352.61 1989.91,3350 1989.91,1510.09 1300.09,1510.09 1300.09,2410 1300.09,3639.91 1850,3639.91 1852.61,3640.26 1855.04,3641.27 1857.13,3642.87 2357.13,4142.87 2358.73,4144.96 2359.03,4145.67 2359.74,4147.39 2360.09,4150 2360.09,4239.91 2639.91,4239.91
5V5 on L8_Power (split plane): 3899.91,4824.18 2312.87,3237.13 2311.27,3235.04 2310.26,3232.61 2309.91,3230 2309.91,410.09 1300.09,410.09 1300.09,1489.91 2000,1489.91 2002.61,1490.26 2005.04,1491.27 2007.13,1492.87 2008.73,1494.96 2009.74,1497.39 2010.09,1500 2010.09,3345.82 2657.13,3992.87 2658.73,3994.96 2659.74,3997.39 2660.09,4000 2660.09,4245.82 3489.15,5074.89 3899.91,5074.89
DDR3_0V75 on L8_Power (split plane): 6409.91,3900 6409.91,2750 6410.26,2747.39 6411.26,2744.96 6412.87,2742.87 6414.96,2741.27 6417.39,2740.26 6420,2739.91 6879.91,2739.91 6879.91,1930.09 4670.09,1930.09 4670.09,2350 4670.09,3475.82 5174.18,3979.91 6409.91,3979.91
1V5 on L8_Power (split plane): 5969.91,4000.09 5170,4000.09 5167.39,3999.74 5166.68,3999.45 5164.96,3998.73 5162.87,3997.13 4652.87,3487.13 4651.26,3485.04 4650.26,3482.61 4649.91,3480 4649.91,2360.09 3160.09,2360.09 3160.09,3490 3160.09,3715.82 3984.18,4539.91 5969.91,4539.91
3V3 on L8_Power (split plane): 6879.91,2990 6879.91,2760.09 6430.09,2760.09 6430.09,3900 6430.09,3979.91 6879.91,3979.91
GND on L9_GND (split plane): 7559.9,20.1 20.1,20.1 20.1,10599.9 7559.9,10599.9
GND on L11_GND (split plane): 7559.9,20.1 20.1,20.1 20.1,10599.9 7559.9,10599.9
USB on L2_GND (split plane): 585.9,6643.19 20.1,6643.19 20.1,7734.93 585.9,7734.93
GND on L2_GND (split plane): 7559.9,20.1 20.1,20.1 20.1,6613.04 600.98,6613.04 603.92,6613.33 606.74,6614.19 609.35,6615.58 611.63,6617.45 613.51,6619.74 614.9,6622.34 615.76,6625.17 616.05,6628.11 616.05,7750 615.76,7752.94 614.9,7755.77 613.51,7758.37 611.63,7760.66 609.35,7762.53 606.74,7763.93 603.92,7764.78 600.98,7765.07 20.1,7765.07 20.1,10599.9 7559.9,10599.9

## Other copper
L2_GND (plane layer: these items are gaps in the copper):
  rectangle: 851.65,5968.5 1205.98,6491.23
  lines w30: 0,6628.11 600.98,6628.11 600.98,7750 0,7750 0,6628.11
L5_Power (plane layer: these items are gaps in the copper):
  lines w20: 1290.02,3650 460,3650 460,400 1850,400 ; 4660,2350 4660,3472.34 ; 4660,2361.19 4660,1920 ; 5160,3987.22 6420,3987.22 6420,3582.6 6890,3582.6 6890,1920 4660,1920 ; 1287.61,1500 1287.61,1142.39 1290,1140 ; 1287.61,1500 2000,1500 2000,3350 2660,4010 2890,4010 2900,4020 2900,4260 2790,4260 2354.6,4260 2350,4255.4 2350,4150 1850,3650 1287.61,3650 1287.61,1500 ; 1290,1140 1290,830 1850,830 1850,400 ; 1290,1140 2510,1140 2550,1100 2550,430 2520,400 1850,400 ; 4660,1920 4660,1920 ; 3605.75,2859.25 3643,2822 4006,2822 5160,3976 5160,4290 5160,4440 4920,4440 4920,4230 3868,3178 3868,3173 3692,3173 3605.75,3086.75 3605.75,2859.25
L8_Power (plane layer: these items are gaps in the copper):
  lines w20: 5980,3990 5980,4550 3980,4550 3150,3720 3150,3490 3150,2350 4660,2350 ; 1290,400 2320,400 2320,3230 3910,4820 3910,5080 3905.02,5084.98 3484.98,5084.98 2650,4250 ; 1290,400 1290,1500 ; 1290,400 460,400 460,3650 1290,3650 ; 1290,1500 2000,1500 2000,3350 2650,4000 2650,4250 ; 1290,1500 1290,2410 1290,3650 ; 1290,3650 1850,3650 2350,4150 2350,4250 2650,4250 ; 4660,2350 4660,1920 6890,1920 6890,2990 6890,2750 ; 4660,2350 4660,3480 5170,3990 6090,3990 6330,3990 6420,3990 ; 6420,3990 6890,3990 ; 6420,3990 6420,3900 6420,2750 6890,2750 ; 6890,2750 6890,3990 ; 6890,3990 6890,3990

## Silkscreen, mask and mechanical layers (free items; w line width, h text height)
Top Overlay:
  lines w10: 4334.16,2445.15 4338.36,1648.95 ; 4334.16,3508.14 5130.35,3512.35
  lines w20: 738.31,553.74 738.31,1150 1238.31,1150 1238.31,553.74 ; 745.94,553.74 1245.94,553.74 ; 1268,2525 0,2525 0,3800 1243,3800 1990,3800 1990,2525 1275,2525 ; 1290,1300 1990,1300 1990,2450 1320,2450 ; 1318,1300 0,1300 0,2450 1318,2450 ; 0,7800 0,8800 2550,8800 2550,7800 0,7800 ; 1275,549.88 1275,1149.88 1750,1149.88 1750,549.88 1275,549.88 ; 1778.25,401.06 1778.25,1151.06 2553.25,1151.06 2553.25,401.06 1778.25,401.06 ; 2050.35,4010 2050.35,4273.23 2050.35,4590 2630,4590 2630,4010 2050.35,4010 ; 2663.23,4010.65 3243.23,4010.65 3243.23,4590.3 2926.46,4590.3 2663.23,4590.3 2663.23,4010.65 ; 3347.89,4017.98 4887.89,4017.98 4887.89,5217.98 4707.89,5217.98 3347.89,5217.98 3347.89,4017.98 ; 4925,4020 4925,4125 4925,4545 5435,4545 5435,4020 4925,4020 ; 5470,4025 5980,4025 5980,4550 5470,4550 5470,4130 5470,4025 ; 6225.35,3220.43 6885.35,3220.43 6885.35,3980.43 6225.35,3980.43 6225.35,3600.43 6225.35,3220.43 ; 6230.5,2396.4 6230.5,2776.4 6230.5,3156.4 6890.5,3156.4 6890.5,2396.4 6230.5,2396.4
  text "DVR8811 Motor Driver" at 1800,8725.84 h78.74
  text "SWR 3V3" at 4787.89,5157.98 h78.74 r270
  text "LDO 1V8" at 2070,4510.84 h78.74
  text "LDO 1V5" at 5501.28,4473.05 h78.74
  text "LDO 1V2" at 4956.28,4468.05 h78.74
  text "LDO A3V3" at 2888,4045.91 h78.74
  text "LDO 1V5" at 6246.63,3911.88 h78.74
  text "SMA - Filter - ADC" at 50,3700.84 h78.74
  text "LDO 0V75" at 6251.78,3087.86 h78.74
  text "SMA - Filter - DAC" at 60,2370.84 h78.74
  text "LDO A5V" at 760,1080.84 h78.74
  text "SWR -7V" at 1800,1080.84 h78.74
  text "LDO -5V" at 1294.27,1078.05 h78.74
Board Shape:
  the board outline again, w10

## Text inside footprints (layer, text, board x,y; h text height)
C5: Drill Guide "Verified by : Alexandre Imbeault" at 2828.19,5284.26 h31.5 r270; Drill Guide "Created by : Alexandre Gaudet" at 2861.65,5285.24 h31.5 r270; Drill Guide "Date : 2013-04-17" at 2796.69,5283.27 h31.5 r270
C42: Drill Guide "Date : 2013-04-17" at 2269.09,6347.01 h31.5; Drill Guide "Created by : Alexandre Gaudet" at 2271.06,6411.97 h31.5; Drill Guide "Verified by : Alexandre Imbeault" at 2270.08,6378.5 h31.5
C44: Drill Guide "Date : 2013-04-17" at 1738.39,6347.01 h31.5; Drill Guide "Created by : Alexandre Gaudet" at 1740.35,6411.97 h31.5; Drill Guide "Verified by : Alexandre Imbeault" at 1739.37,6378.5 h31.5
C47: Drill Guide "Verified by : Alexandre Imbeault" at 5115.31,3488.5 h31.5; Drill Guide "Created by : Alexandre Gaudet" at 5114.32,3521.97 h31.5; Drill Guide "Date : 2013-04-17" at 5116.29,3457.01 h31.5
C51: Drill Guide "Verified by : Alexandre Imbeault" at 5115.31,1928.5 h31.5; Drill Guide "Created by : Alexandre Gaudet" at 5114.32,1961.97 h31.5; Drill Guide "Date : 2013-04-17" at 5116.29,1897.01 h31.5
C66: Drill Guide "Verified by : Alexandre Imbeault" at 811.26,7043.82 h39.37; Drill Guide "Created by : Alexandre Gaudet" at 811.3,7089.09 h39.37; Drill Guide "Date : 2013-04-17" at 811.3,6999.53 h39.37
C88: Drill Guide "Verified by : Alexandre Imbeault" at 2251.26,8676.18 h39.37 r180; Drill Guide "Created by : Alexandre Gaudet" at 2251.3,8630.91 h39.37 r180; Drill Guide "Date : 2013-04-17" at 2251.3,8720.47 h39.37 r180
D5: Top Overlay "+" at 13215.94,1819.69 h19.68
D13: Top Overlay "+" at 7856.29,7404.06 h19.68 r90
D14: Top Overlay "+" at 8076.29,7404.06 h19.68 r90
D15: Top Overlay "+" at 8296.29,7404.06 h19.68 r90
D16: Top Overlay "+" at 8516.29,7404.06 h19.68 r90
J6: Top Overlay "*" at 30.98,5868.11 h65 r270
J7: Mechanical 1 "Board Edge" at -39.81,7026.7 h23.62 r270
J8: Top Overlay "1" at 144.57,8748.5 h65 r270; Mechanical 1 "INSERT WIRES ON THIS SIDE" at -24.72,8665.83 h31.5 r270
U18: Mechanical 13 "The 3D model is a 39pin instead of 41. For package representation only" at 2063.65,538.34 h3.94